# Allegro board BeagleBone-AI.brd (continued)
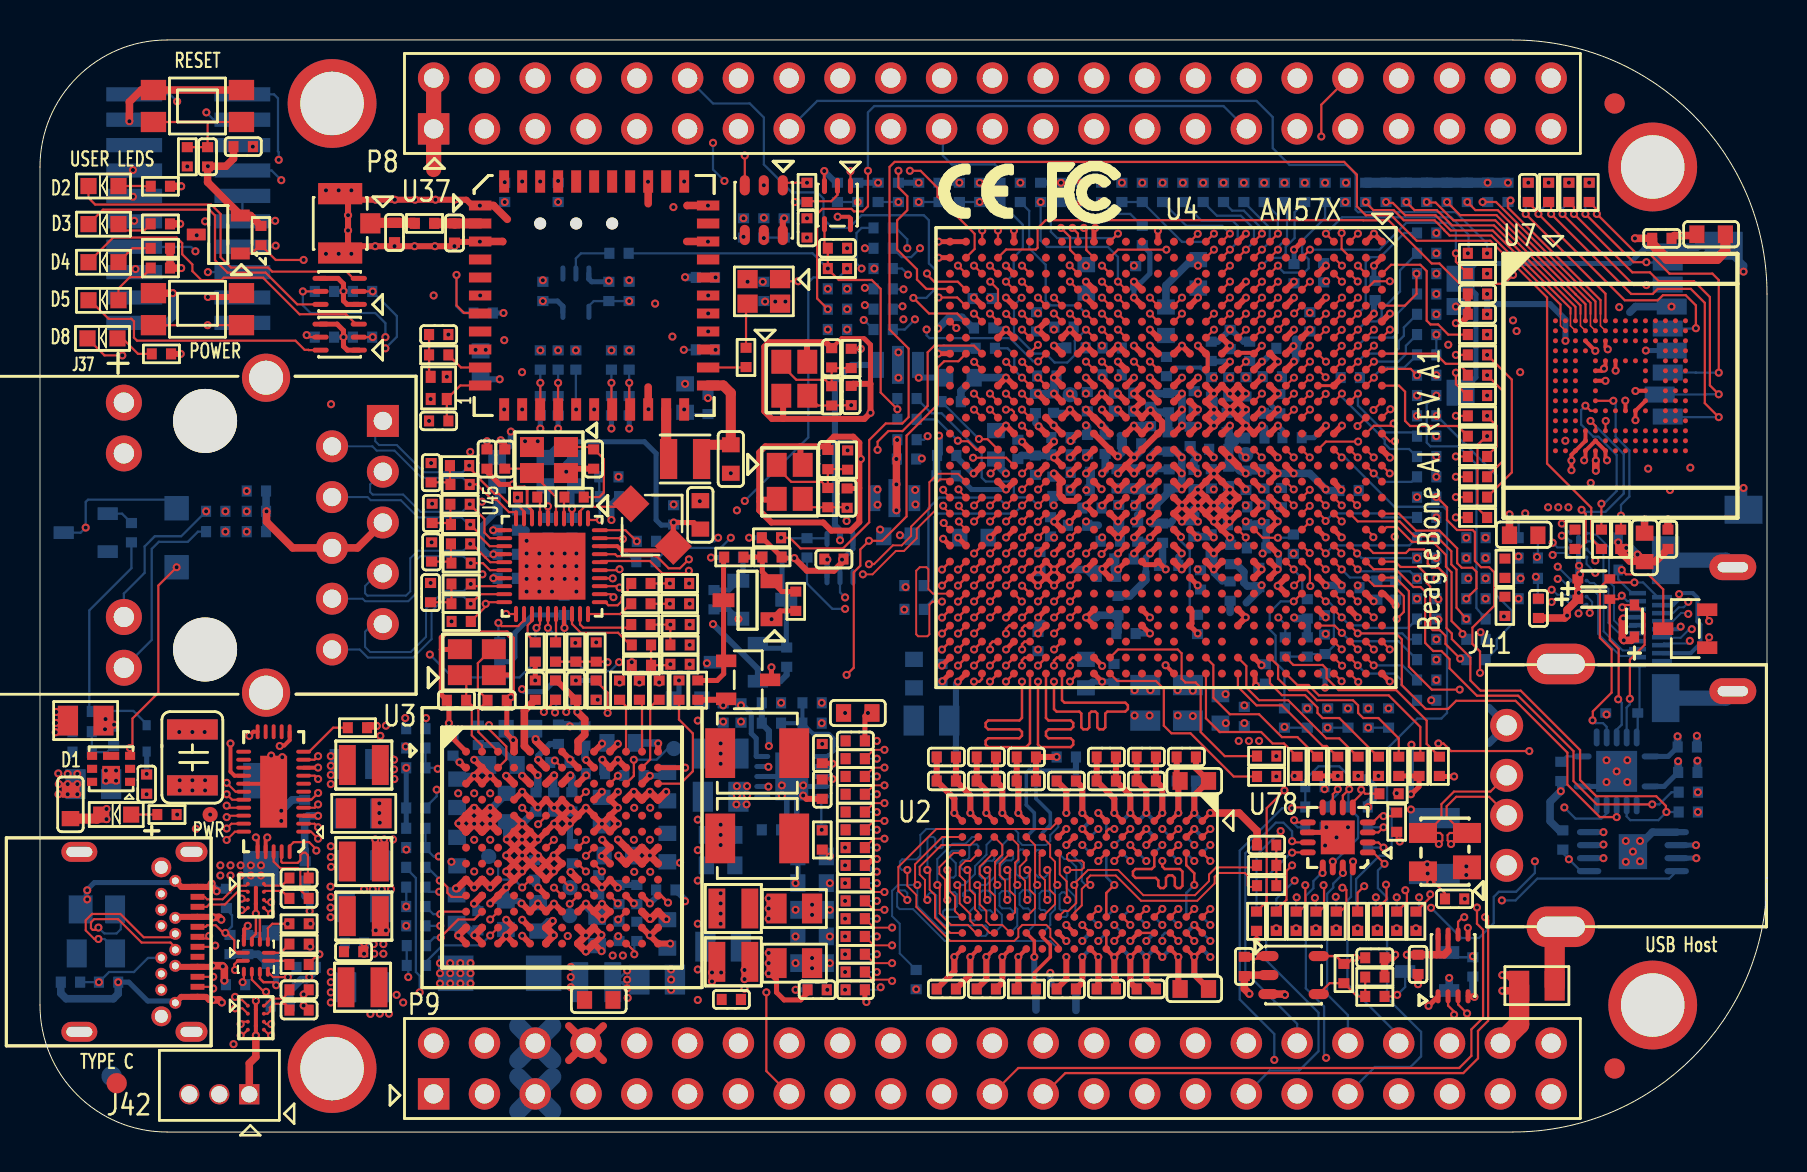
[diagram p0: board, top side]
## Routing (per net, layer and track width the routed paths; a pad name or vN(x,y) marks a point on that pad's centre or on a via; arc(x,y) is an arc through that point) (continued)
DDR1_A8: length 42.3
  TOP w0.1: R123.1 41.69,14.67 v1(42.23,14.67) ; v1(44.37,13.1) 44.37,13.1 44.45,13.02 44.46,13.02 44.49,12.99 44.49,12.11 44.76,11.85 44.76,10.72 45.53,9.95 U2.T8
  TOP w0.127: U4.AF22 v1(46.7,27.32)
  INT_L3 w0.121: v1(46.7,27.32) 46.99,27.32 47.12,27.2 47.12,26.29 46.99,26.16 46.43,26.16 46.3,26.04 46.3,24.79 46.04,24.52 45.78,24.52 45.5,24.24 45.5,23.99 45.24,23.72 44.9,23.72 44.7,23.52 44.7,21.97 44.83,21.84 45.28,21.84 45.4,21.72 45.4,21.53 45.28,21.4 44.83,21.4 44.7,21.27 44.7,21.08 44.83,20.96 45.28,20.96 45.4,20.83 45.4,20.64 45.28,20.51 44.83,20.51 44.7,20.38 44.7,20.19 44.83,20.07 45.28,20.07 45.4,19.94 45.4,19.75 45.28,19.62 44.83,19.62 44.7,19.49 44.7,19.3 44.83,19.18 45.28,19.18 45.4,19.05 45.4,18.86 45.28,18.73 44.83,18.73 44.7,18.61 44.7,18.41 44.83,18.29 45.28,18.29 45.4,18.16 45.4,17.97 45.28,17.84 44.83,17.84 44.7,17.72 44.7,17.53 44.83,17.4 45.28,17.4 45.4,17.27 45.4,17.08 45.28,16.95 44.83,16.95 44.7,16.83 44.7,16.64 44.83,16.51 45.28,16.51 45.4,16.38 45.4,16.19 45.28,16.07 44.83,16.07 44.7,15.94 44.7,15.75 44.83,15.62 45.28,15.62 45.4,15.49 45.4,15.3 45.28,15.18 44.26,15.18 44.13,15.05 44.13,14.86 44.26,14.73 45.59,14.73 45.72,14.61 45.72,14.41 45.59,14.29 44.26,14.29 44.13,14.16 44.13,13.97 44.26,13.84 44.64,13.84 44.77,13.72 44.77,13.23 44.64,13.1 v1(44.37,13.1)
  SIG_L5 w0.121: v1(44.37,13.1) 42.81,14.67 v1(42.23,14.67)
  BOTTOM w0.1: v1(44.37,13.1) 44.38,13.1 44.38,14.66 44.48,14.75 44.67,14.75 44.77,14.66 44.77,14.27 44.84,14.2 45.07,14.2 45.14,14.26 45.14,14.62 45.27,14.75 U11.T8
DDR1_A9: length 42.2
  TOP w0.1: U2.R3 46.52,13.55 46.28,13.55 45.99,13.26 45.99,12.82 46.26,12.54 46.26,11.71 46.36,11.6 v1(46.37,11.6)
  TOP w0.127: U4.AE22 v1(47.51,27.33)
  SIG_L5 w0.121: v1(46.37,11.6) 45.56,10.79 42.8,10.79 42.67,10.67 v1(41.85,10.67)
  SIG_L10 w0.121: v1(46.37,11.6) 46.36,11.6 46.23,11.48 46.23,11.24 46.36,11.11 47.85,11.11 47.98,11.24 47.98,11.67 47.39,12.27 47.39,12.6 48.01,13.22 48.01,13.65 47.88,13.78 47.43,13.78 47.31,13.91 47.31,14.1 47.43,14.22 48.01,14.22 48.13,14.35 48.13,14.54 48.01,14.67 47.43,14.67 47.31,14.8 47.31,14.99 47.43,15.11 48.01,15.11 48.13,15.24 48.13,15.43 48.01,15.56 47.82,15.56 47.7,15.68 47.7,16.26 47.82,16.38 48.01,16.38 48.13,16.51 48.13,16.7 48.01,16.83 47.43,16.83 47.31,16.95 47.31,17.14 47.43,17.27 48.01,17.27 48.13,17.4 48.13,17.59 48.01,17.72 47.5,17.72 47.37,17.84 47.37,18.03 47.5,18.16 48.01,18.16 48.13,18.29 48.13,18.48 48.01,18.61 46.23,18.61 44.45,20.38 44.45,21.59 43.94,22.1 43.94,24.51 44.07,24.64 44.51,24.64 44.64,24.77 44.64,25.21 44.77,25.34 45.28,25.34 45.47,25.53 45.47,25.91 45.72,26.16 46.1,26.16 46.34,26.4 46.34,26.79 46.48,26.92 46.82,26.92 47.23,27.33 v1(47.51,27.33)
  BOTTOM w0.1: U11.R3 46.74,10.57 46.58,10.57 46.48,10.67 46.48,11.02 46.75,11.29 46.75,11.94 46.61,12.07 46.3,12.07 46.16,11.93 46.16,11.82 v1(46.37,11.6) ; R40.1 v1(41.85,10.67)
DDR1_A10: length 48.7
  TOP w0.1: U2.L7 50.76,11.39 50.76,11.85 50.49,12.11 50.49,12.99 v1(50.37,13.1)
  TOP w0.127: U4.AD21 v1(48.3,28.12)
  INT_L3 w0.121: v1(48.3,28.12) 48.5,28.12 48.9,28.52 49.4,28.52 49.53,28.39 49.53,25.46 49.66,25.34 50.17,25.34 50.29,25.21 50.29,24.65 50.17,24.52 48.15,24.52 47.9,24.28 47.9,23.92 47.7,23.72 47.37,23.72 47.1,23.46 47.1,22.1 46.98,21.97 46.77,21.97 46.64,21.84 46.64,21.65 46.77,21.53 47.58,21.53 47.7,21.4 47.7,19.94 47.83,19.81 49.53,19.81 49.66,19.69 49.66,19.49 49.53,19.37 47.83,19.37 47.7,19.24 47.7,19.05 47.83,18.92 49.53,18.92 49.66,18.8 49.66,18.61 49.53,18.48 47.83,18.48 47.7,18.35 47.7,18.16 47.83,18.03 49.21,18.03 49.34,17.91 49.34,13.74 49.97,13.1 v1(50.37,13.1)
  SIG_L5 w0.121: v1(41.85,18.67) 46.06,18.67 48.53,16.2 48.53,15.01 50.37,13.17 v1(50.37,13.1)
  BOTTOM w0.1: R125.1 v1(41.85,18.67) ; U11.L7 49.97,14.11 49.86,14.11 49.75,14 49.75,12.92 49.94,12.73 50.24,12.73 50.37,12.86 v1(50.37,13.1)
DDR1_A11: length 42.7
  TOP w0.1: v1(46.37,13.1) 46.49,12.99 46.49,12.12 46.76,11.85 46.76,11.14 46.92,10.98 U2.R7
  TOP w0.127: U4.AD22 v1(48.31,27.33)
  INT_L3 w0.121: v1(48.31,27.33) 48.01,27.33 47.88,27.2 47.88,26.99 48.01,26.86 48.26,26.86 48.39,26.73 48.39,26.29 48.26,26.16 48.01,26.16 47.88,26.04 47.88,25.53 47.68,25.32 47.3,25.32 47.1,25.12 47.1,24.8 46.83,24.52 46.57,24.52 46.3,24.26 46.3,24 46.03,23.72 45.76,23.72 45.52,23.48 45.52,22.17 45.78,21.91 45.78,20.89 45.91,20.76 46.74,20.76 46.86,20.64 46.86,20.45 46.74,20.32 45.91,20.32 45.78,20.19 45.78,20 45.91,19.88 46.74,19.88 46.86,19.75 46.86,19.56 46.74,19.43 45.91,19.43 45.78,19.3 45.78,19.11 45.91,18.99 46.74,18.99 46.86,18.86 46.86,18.67 46.74,18.54 45.91,18.54 45.78,18.41 45.78,18.22 45.91,18.1 46.74,18.1 46.86,17.97 46.86,17.78 46.74,17.65 45.91,17.65 45.78,17.53 45.78,17.34 45.91,17.21 46.74,17.21 46.86,17.08 46.86,16.89 46.74,16.76 45.91,16.76 45.78,16.64 45.78,16.45 46.1,16.13 46.1,15.37 46.23,15.24 46.74,15.24 46.86,15.11 46.86,14.92 46.74,14.8 46.23,14.8 46.1,14.67 46.1,14.48 46.23,14.35 46.74,14.35 46.86,14.22 46.86,14.03 46.74,13.91 45.47,13.91 45.34,13.78 45.34,13.65 45.47,13.53 46.24,13.53 46.37,13.4 v1(46.37,13.1)
  SIG_L5 w0.121: v1(46.37,13.1) 46.37,13.32 43.69,16 v1(41.85,16)
  BOTTOM w0.1: U11.R7 46.92,14.31 46.85,14.38 46.57,14.38 46.47,14.28 46.47,13.72 46.36,13.61 46.15,13.61 46.03,13.48 46.03,13.24 46.16,13.1 v1(46.37,13.1) ; R31.1 v1(41.85,16)
DDR1_A12: length 45.8
  TOP w0.1: v1(42.23,17.34) 41.69,17.34 R132.1 ; v1(48.37,13.1) 48.37,13.1 48.49,12.98 48.49,12.07 48.76,11.8 48.76,10.98 48.53,10.75 U2.N7
  TOP w0.127: U4.AC21 v1(49.1,28.12)
  INT_L3 w0.121: v1(48.37,13.1) 48.36,13.1 47.94,13.53 47.37,13.53 47.24,13.65 47.24,14.1 47.37,14.22 48.7,14.22 48.83,14.35 48.83,14.54 48.7,14.67 47.37,14.67 47.24,14.8 47.24,14.99 47.37,15.11 48.7,15.11 48.83,15.24 48.83,15.43 48.7,15.56 47.05,15.56 46.93,15.68 46.93,16.19 47.07,16.33 48.71,16.33 48.83,16.45 48.83,16.64 48.7,16.76 47.37,16.76 47.24,16.89 47.24,17.08 47.37,17.21 48.7,17.21 48.83,17.34 48.83,17.53 48.7,17.65 47.37,17.65 47.24,17.78 47.24,21.02 47.12,21.15 46.43,21.15 46.3,21.27 46.3,23.44 46.58,23.72 46.84,23.72 47.1,23.99 47.1,24.24 47.35,24.49 47.61,24.49 47.9,24.79 47.9,25.07 48.16,25.32 48.49,25.32 48.72,25.56 48.72,27.74 v1(49.1,28.12)
  SIG_L5 w0.121: v1(48.37,13.1) 48.37,13.33 46.12,15.58 46.12,16.14 44.92,17.34 v1(42.23,17.34)
  BOTTOM w0.1: U11.N7 48.52,13.95 48.66,13.81 48.66,13.67 48.58,13.58 48.29,13.58 48.02,13.31 48.02,12.74 48.12,12.64 48.43,12.64 48.52,12.73 48.52,12.96 v1(48.37,13.1)
DDR1_A13: length 41.7
  TOP w0.1: v1(45.37,11.6) 45.26,11.72 45.26,12.63 44.98,12.91 44.98,13.25 45.68,13.95 U2.T3 ; R142.1 41.69,11.11 v1(42.23,11.11)
  TOP w0.127: U4.AF18 v1(46.71,30.53)
  SIG_L5 w0.121: v1(42.23,11.11) 42.35,11.18 44.94,11.18 v1(45.37,11.6)
  SIG_L10 w0.121: v1(45.37,11.6) 45.37,10.89 45.21,10.73 43.69,10.73 42.98,11.44 42.98,14.8 43.11,14.92 43.43,14.92 43.55,15.05 43.55,15.24 43.43,15.37 43.11,15.37 42.98,15.49 42.98,15.68 43.11,15.81 43.43,15.81 43.55,15.94 43.55,16.13 43.43,16.26 43.11,16.26 42.98,16.38 42.98,16.57 43.11,16.7 43.43,16.7 43.55,16.83 43.55,17.02 43.43,17.14 43.11,17.14 42.98,17.27 42.98,17.46 43.11,17.59 43.43,17.59 43.55,17.72 43.55,17.91 43.43,18.03 43.11,18.03 42.98,18.16 42.98,18.35 43.11,18.48 43.43,18.48 43.55,18.61 43.55,18.8 43.43,18.92 43.11,18.92 42.98,19.05 42.98,19.42 42.61,19.79 42.61,20.89 42.04,21.46 42.04,26.7 44.63,29.29 45.41,29.29 45.54,29.42 45.54,30.03 45.66,30.15 46.33,30.15 v1(46.71,30.53)
  BOTTOM w0.1: U11.T3 45.24,10.75 45.15,10.84 45.15,11.02 45.25,11.12 45.68,11.12 45.84,11.29 45.84,11.9 45.74,11.99 45.48,11.99 45.37,11.88 v1(45.37,11.6)
DDR1_A14: length 41.5
  TOP w0.1: v1(45.37,13.1) 45.37,13.1 45.49,12.99 45.49,12.06 45.76,11.78 45.76,11.04 46.04,10.75 U2.T7
  TOP w0.127: U4.AE17 v1(47.51,31.33)
  INT_L3 w0.121: v1(45.37,13.1) 45.36,13.1 45.34,13.08 45.08,13.08 44.57,12.57 44.23,12.57 44.09,12.72 43.72,12.72 43.57,12.57 43.35,12.57 42.98,12.94 42.98,13.64 43.37,14.03 43.37,22.1 43.5,22.23 43.81,22.23 43.94,22.35 43.94,22.54 43.81,22.67 43.5,22.67 43.37,22.8 43.37,22.99 43.5,23.11 43.81,23.11 43.94,23.24 43.94,23.43 43.81,23.56 43.5,23.56 43.37,23.69 43.37,23.88 43.5,24 43.81,24 43.94,24.13 43.94,24.32 43.81,24.45 43.5,24.45 43.37,24.57 43.37,24.77 43.5,24.89 44.45,24.89 44.58,25.02 44.58,27.6 44.7,27.72 47.7,27.72 47.9,27.92 47.9,28.3 48.15,28.54 48.44,28.54 48.7,28.8 48.7,29.04 48.98,29.32 49.26,29.32 49.5,29.56 49.5,29.93 49.3,30.13 48.94,30.13 48.7,30.36 48.7,30.72 48.5,30.92 47.92,30.92 v1(47.51,31.33)
  SIG_L5 w0.121: v1(41.85,15.11) 43.36,15.11 v1(45.37,13.1)
  BOTTOM w0.1: R128.1 v1(41.85,15.11) ; U11.T7 46.01,14.06 45.61,14.06 45.51,13.97 45.51,13.73 45.79,13.45 45.79,12.83 45.68,12.72 45.47,12.72 45.37,12.81 v1(45.37,13.1)
DDR1_A15: length 47.7
  TOP w0.1: U2.M7 49.75,11.19 49.75,11.85 49.49,12.11 49.49,12.99 v1(49.37,13.1)
  TOP w0.127: U4.AD18 v1(48.31,30.53)
  INT_L3 w0.121: v1(49.37,13.1) 49.23,13.1 48.98,12.86 48.68,12.86 48.26,12.44 48.26,12.19 47.76,11.69 47.76,11.44 47.45,11.13 43.3,11.13 42.9,11.52 42.9,11.96 42.24,12.62 42.24,14.06 42.65,14.47 42.65,27.24 44.58,29.17 46.28,29.17 46.43,29.33 47.66,29.33 47.92,29.58 47.92,30.14 v1(48.31,30.53)
  SIG_L5 w0.121: v1(49.37,13.1) 49.34,13.1 46.91,15.53 46.91,16.16 45.3,17.78 v1(41.85,17.78)
  BOTTOM w0.1: R30.1 v1(41.85,17.78) ; v1(49.37,13.1) 49.37,13.1 49.44,13.03 49.44,12.82 49.33,12.71 49.01,12.71 48.81,12.91 48.81,13.39 48.94,13.52 48.94,14.05 49.02,14.13 49.15,14.13 U11.M7
DDR1_BA0: length 52
  TOP w0.1: v1(49.87,12.35) 49.76,12.46 49.76,14.35 49.35,14.75 U2.M2 ; R33.1 41.69,18.22 v1(42.23,18.22)
  TOP w0.127: U4.AF17 v1(46.71,31.33)
  SIG_L5 w0.121: v1(42.23,18.22) 45.62,18.22 47.72,16.12 47.72,15.33 49.87,13.19 v1(49.87,12.35)
  SIG_L8 w0.121: v1(46.71,31.33) 46.34,31.7 44.91,31.7 44.45,31.24 44.45,30.58 40.64,26.77 40.64,26.57 40.89,26.31 40.89,20.95 41.84,20 42,20 42.61,19.39 42.61,13.93 42.32,13.65 42.32,12.53 42.67,12.18 42.67,11.29 43.42,10.54 48.83,10.54 49.87,11.58 v1(49.87,12.35)
  BOTTOM w0.1: U11.M2 49.75,10.39 49.75,12.24 v1(49.87,12.35)
DDR1_BA1: length 43.6
  TOP w0.1: v1(42.61,10.22) 41.69,10.22 R34.1 ; v1(46.87,12.35) 46.88,12.35 46.99,12.24 46.99,11.39 47.32,11.06 47.32,10.53 47.5,10.35 48.12,10.35 U2.N8
  TOP w0.127: U4.AE18 v1(47.51,30.53)
  SIG_L5 w0.121: v1(46.87,12.35) 46.87,11.55 45.77,10.45 42.96,10.45 42.74,10.22 v1(42.61,10.22)
  SIG_L8 w0.121: v1(47.51,30.53) 47.48,30.53 47.12,30.16 46.42,30.16 46.29,30.04 46.29,29.02 46.16,28.89 45.66,28.89 45.53,29.02 45.53,29.14 45.41,29.26 44.82,29.26 44.7,29.14 44.7,29.02 44.58,28.89 43.73,28.89 41.71,26.87 41.71,21.64 43.43,19.91 43.43,13.74 42.99,13.3 42.99,12.94 43.43,12.5 43.43,12.19 43.66,11.96 44.22,11.96 44.39,12.13 44.39,12.64 44.51,12.76 45.15,12.76 45.28,12.64 45.28,12.13 45.44,11.96 46.03,11.96 46.42,12.35 v1(46.87,12.35)
  BOTTOM w0.1: U11.N8 48.12,14.35 48.12,13.73 47.75,13.37 47.75,12.78 47.33,12.35 v1(46.87,12.35)
DDR1_BA2: length 47.4
  TOP w0.1: v1(49.37,11.6) 49.37,11.6 49.26,11.71 49.26,12.56 48.99,12.83 48.99,13.27 49.32,13.6 U2.M3 ; v1(42.61,8.45) 41.69,8.45 R42.1
  TOP w0.127: U4.AB18 v1(49.9,30.52)
  SIG_L5 w0.121: v1(49.37,11.6) 49.37,11.51 46.91,9.05 46.91,8.62 46.67,8.38 45.43,8.38 44.88,8.93 43.47,8.93 42.99,8.45 v1(42.61,8.45)
  SIG_L10 w0.121: v1(49.9,30.52) 49.5,30.13 49.5,29.46 49.63,29.34 50.17,29.34 50.32,29.18 50.32,28.71 50.17,28.56 49.63,28.56 49.5,28.43 49.5,27.92 49.3,27.72 48.93,27.72 48.7,27.49 48.7,27.17 48.47,26.94 48.21,26.94 47.9,26.63 47.9,26.37 47.67,26.14 47.35,26.14 47.1,25.89 47.1,25.57 46.87,25.34 46.61,25.34 46.57,25.29 46.56,25.29 46.34,25.08 46.34,24.83 46.02,24.51 45.72,24.51 45.47,24.26 45.47,23.97 45.26,23.76 44.91,23.76 44.7,23.56 44.7,22.35 45.21,21.84 45.21,20.64 46.48,19.37 48.51,19.37 48.89,18.99 48.89,17.72 49.02,17.59 49.57,17.59 49.7,17.46 49.7,16.83 49.83,16.7 50.17,16.7 50.29,16.57 50.29,16.14 50.42,16.01 50.78,16.01 50.91,15.88 50.91,15.69 50.78,15.56 50.42,15.56 50.29,15.44 50.29,15.24 50.42,15.11 50.86,15.11 50.99,14.99 50.99,14.8 50.86,14.67 50.42,14.67 50.29,14.54 50.29,14.35 50.42,14.22 50.86,14.22 50.99,14.1 50.99,13.91 50.86,13.78 50.29,13.78 49.76,13.25 49.76,12.87 49.37,12.48 v1(49.37,11.6)
  BOTTOM w0.1: v1(49.37,11.6) 49.37,11.6 49.52,11.76 49.52,11.95 49.38,12.09 49.15,12.09 48.98,11.93 48.98,11.37 49.17,11.18 49.41,11.18 49.52,11.07 49.52,10.96 U11.M3
DDR1_CASN: length 54.1
  TOP w0.1: U2.K3 50.99,13.88 50.99,12.88 51.34,12.54 51.34,11.63 51.37,11.6 v1(51.37,11.6)
  TOP w0.127: U4.AC18 v1(49.11,30.53)
  SIG_L5 w0.121: v1(42.04,7.24) 42.04,7.23 42.16,7.11 43.18,7.11 43.85,7.78 44.5,7.78 45.04,7.24 48.01,7.24 49.3,8.53 49.3,9.3 51.37,11.37 v1(51.37,11.6)
  SIG_L10 w0.121: v1(49.11,30.53) 48.83,30.81 48.82,30.81 48.69,30.94 44.99,30.94 44.82,30.77 44.82,29.98 41.71,26.87 41.71,21.29 42.23,20.76 42.23,19.71 42.65,19.29 42.65,11.26 43.52,10.39 50.16,10.39 51.1,11.33 v1(51.37,11.6)
  BOTTOM w0.1: U11.K3 51.31,10.75 51.37,10.82 51.37,11 51.29,11.09 51.06,11.09 50.99,11.16 50.99,11.87 51.1,11.98 51.23,11.98 51.37,11.84 v1(51.37,11.6) ; v1(42.04,7.24) 42.04,7.21 41.94,7.11 R140.1
DDR1_CKE: length 48.4
  TOP w0.1: v1(43.37,13.1) 43.37,12.3 43.82,11.85 43.82,11.25 45.52,9.55 48.72,9.55 48.92,9.75 48.92,10.15 49.12,10.35 50.32,10.35 50.52,10.15 50.52,9.75 50.92,9.35 U2.K9
  TOP w0.127: U4.AG22 v1(45.9,27.32)
  INT_L3 w0.121: v1(45.9,27.32) 45.5,26.92 45.5,24.8 45.22,24.52 44.45,24.52 44.32,24.39 44.32,21.97 44.2,21.84 43.82,21.84 43.69,21.72 43.69,21.53 43.82,21.4 44.2,21.4 44.32,21.27 44.32,21.08 44.2,20.96 43.82,20.96 43.69,20.83 43.69,20.64 43.82,20.51 44.2,20.51 44.32,20.38 44.32,20.19 44.2,20.07 43.82,20.07 43.69,19.94 43.69,19.75 43.82,19.62 44.2,19.62 44.32,19.49 44.32,19.3 44.2,19.18 43.82,19.18 43.69,19.05 43.69,18.8 43.82,18.67 44.2,18.67 44.32,18.54 44.32,18.35 44.2,18.22 43.82,18.22 43.69,18.1 43.69,17.91 43.82,17.78 44.2,17.78 44.32,17.65 44.32,17.46 44.2,17.34 43.82,17.34 43.69,17.21 43.69,17.02 43.82,16.89 44.2,16.89 44.32,16.76 44.32,16.57 44.2,16.45 43.82,16.45 43.69,16.32 43.69,16.13 43.82,16 44.2,16 44.32,15.88 44.32,15.68 44.2,15.56 43.88,15.56 43.75,15.43 43.75,13.84 43.37,13.46 v1(43.37,13.1)
  SIG_L5 w0.121: v1(41.85,14.22) 42.25,14.22 v1(43.37,13.1)
  BOTTOM w0.1: R126.1 v1(41.85,14.22) ; v1(43.37,13.1) 43.1,13.1 43,13.2 43,13.52 43.11,13.63 43.83,13.63 44.02,13.83 44.02,14.85 44.32,15.15 48.72,15.15 48.92,14.95 48.92,14.55 49.12,14.35 50.32,14.35 50.52,14.55 50.52,14.85 50.92,15.25 U11.K9
DDR1_CLK0: length 50.7
  TOP w0.102: R26.1 60.79,12.26 60.45,12.26 60.39,12.32 60.39,12.81 60.25,12.95 58.93,12.95 58.74,12.76 58.74,12.43 57.87,11.56 55.06,11.56 53.79,12.83 52.53,12.83 52.37,12.67 52.37,12.51 v1(52.52,12.35) 52.3,12.35 52.1,12.15 52.1,11.33 51.72,10.96 U2.J7
  TOP w0.127: U4.AG24 v1(45.9,25.72)
  SIG_L8 w0.094: v1(52.52,12.35) 52.4,12.48 52.4,13.44 51.84,14 51.18,14 50.85,14.33 50.85,15.73 50.53,16.05 50.04,16.05 49.91,16.18 49.91,16.39 50,16.48 50.55,16.48 50.83,16.76 50.83,17.17 50.52,17.48 47.16,17.48 47.07,17.57 47.07,17.78 47.22,17.93 50.2,17.93 50.47,18.2 50.47,18.68 50.2,18.95 47.16,18.95 47.07,19.04 47.07,19.36 47.16,19.46 49.3,19.46 49.58,19.74 49.58,20.22 49.28,20.52 47.15,20.52 47.02,20.66 47.02,20.9 47.14,21.03 47.96,21.03 48.23,21.3 48.23,21.83 47.96,22.1 45.03,22.1 44.7,22.43 44.7,25.04 44.96,25.3 45.15,25.3 v1(45.9,25.72)
  BOTTOM w0.102: U11.J7 51.72,13.75 52.1,13.38 52.1,12.55 52.29,12.35 v1(52.52,12.35)
DDR1_CLK0N: length 50.7
  TOP w0.102: U2.K7 51.22,11.05 51.42,11.05 51.82,11.45 51.82,12.26 v1(51.72,12.35) 51.72,12.42 52.09,12.78 52.41,13.11 53.91,13.11 55.17,11.84 57.75,11.84 58.46,12.55 58.46,12.88 58.81,13.23 60.76,13.23 R29.1
  TOP w0.127: U4.AH24 v1(45.1,25.72)
  SIG_L8 w0.094: v1(45.1,25.72) 44.98,25.6 44.83,25.6 44.4,25.17 44.4,22.3 44.91,21.79 47.84,21.79 47.93,21.7 47.93,21.43 47.84,21.34 47.02,21.34 46.71,21.03 46.71,20.53 47.02,20.22 49.15,20.22 49.28,20.09 49.28,19.86 49.18,19.76 47.03,19.76 46.76,19.49 46.76,18.92 47.03,18.64 50.07,18.64 50.17,18.55 50.17,18.33 50.07,18.24 47.09,18.24 46.76,17.91 46.76,17.44 47.03,17.17 50.39,17.17 50.52,17.04 50.52,16.88 50.43,16.79 49.88,16.79 49.61,16.52 49.61,16.05 49.91,15.75 50.4,15.75 50.55,15.6 50.55,14.2 51.05,13.69 51.72,13.69 52.1,13.31 52.1,12.57 51.88,12.35 v1(51.72,12.35)
  BOTTOM w0.102: U11.K7 51.22,13.65 51.42,13.65 51.82,13.26 51.82,12.45 v1(51.72,12.35)
DDR1_CSN0: length 49.1
  TOP w0.1: v1(42.61,7.56) 42.55,7.62 41.63,7.62 R129.1 ; v1(45.1,26.52) 44.72,26.52 44.72,26.52 44.63,26.52 44.48,26.37 44.48,24.89 44.38,24.79 43.92,24.79 43.81,24.89 43.81,28.07 43.99,28.24 44.32,28.24 44.42,28.14 44.42,27.15 44.65,26.92 U4.AH23 ; v1(50.87,12.35) 50.82,12.35 50.76,12.42 50.76,13.52 50.51,13.76 50.51,14.36 U2.L2
  SIG_L5 w0.121: v1(50.87,12.35) 50.87,11.5 48.51,9.14 48.51,8.49 47.64,7.62 45.17,7.62 44.63,8.16 43.72,8.16 43.12,7.56 v1(42.61,7.56)
  SIG_L8 w0.121: v1(50.87,12.35) 50.51,12.71 50.02,12.71 49.78,12.95 49.78,13.53 49.72,13.59 49.72,14.9 49.44,15.18 45.94,15.18 45.34,15.77 45.34,16.15 45.97,16.79 45.97,20.76 45.85,20.89 44.87,20.89 43.56,22.2 43.56,25.4 44.69,26.52 v1(45.1,26.52)
  BOTTOM w0.1: v1(50.87,12.35) 50.75,12.24 50.75,11.13 50.52,10.9 50.52,10.35 U11.L2
DDR1_D0: length 32.5
  TOP w0.127: U4.AF25 v1(46.71,24.93)
  SIG_L5 w0.121: v1(46.71,24.93) 46.71,24.65 46.84,24.52 47.1,24.52 47.22,24.64 47.22,24.84 47.35,24.96 47.79,24.96 47.92,24.84 47.92,24.64 48.05,24.52 48.56,24.52 48.68,24.39 48.68,24.01 48.97,23.72 49.25,23.72 49.5,23.48 49.5,23.06 49.63,22.93 50.97,22.93 51.1,22.8 51.1,22.23 50.97,22.1 49.19,22.1 49.06,21.98 49.06,21.79 49.19,21.66 51.41,21.66 51.54,21.53 51.54,19.69 51.67,19.56 53.07,19.56 53.19,19.44 53.19,18.17 53.32,18.04 55.03,18.04 55.16,17.91 55.16,17.34 55.29,17.22 55.56,17.22 55.7,17.07 55.7,14.96 55.5,14.75 55.17,14.75 54.9,14.49 54.9,14.16 54.71,13.98 54.38,13.98 54.13,13.73 54.13,13.28 54.26,13.15 54.84,13.15 54.97,13.02 54.97,12.64 55.1,12.52 56.3,12.52 56.43,12.39 56.43,12.2 56.3,12.07 55.4,12.07 55.29,11.96 55.29,11.8 55.4,11.69 55.61,11.69 55.73,11.56 55.73,10.99 55.32,10.58 v1(55.32,10.35)
  BOTTOM w0.127: U11.E3 v1(55.32,10.35)
DDR1_D1: length 32.5
  TOP w0.127: U4.AF26 v1(46.71,24.13)
  SIG_L5 w0.121: v1(53.72,10.35) 54.13,10.76 54.79,10.76 54.95,10.93 54.95,12.03 54.59,12.4 54.59,12.64 54.46,12.77 53.83,12.77 53.32,13.28 53.32,13.75 53.52,13.95 53.88,13.95 54.12,14.19 54.12,14.55 54.32,14.75 54.67,14.75 54.91,14.99 54.91,15.34 54.7,15.54 54.39,15.54 54.12,15.81 54.12,16.2 54.28,16.36 54.78,16.36 54.9,16.48 54.9,16.65 54.78,16.77 53.64,16.77 53.51,16.9 53.51,17.09 53.64,17.22 54.65,17.22 54.78,17.34 54.78,17.53 54.65,17.66 52.94,17.66 52.81,17.79 52.81,19.06 52.68,19.18 52.49,19.18 52.37,19.06 52.37,17.79 52.24,17.66 52.05,17.66 51.92,17.79 51.92,18.17 51.8,18.29 51.35,18.29 51.22,18.42 51.22,18.61 51.35,18.74 51.8,18.74 51.92,18.87 51.92,19.06 51.8,19.18 51.29,19.18 51.16,19.31 51.16,21.15 51.03,21.28 48.81,21.28 48.68,21.41 48.68,23.5 48.46,23.72 47.11,23.72 v1(46.71,24.13)
  BOTTOM w0.127: U11.F2 v1(53.72,10.35)
DDR1_D2: length 32.7
  TOP w0.127: U4.AG26 v1(45.9,24.12)
  SIG_L5 w0.121: v1(45.9,24.12) 45.9,24.09 45.51,23.69 44.81,23.69 44.49,23.37 42.59,23.37 42.46,23.25 42.46,21.41 42.59,21.28 42.78,21.28 42.91,21.41 42.91,22.8 43.03,22.93 43.22,22.93 43.35,22.8 43.35,21.41 43.48,21.28 43.67,21.28 43.79,21.41 43.79,22.8 43.92,22.93 44.11,22.93 44.24,22.8 44.24,21.41 44.37,21.28 44.56,21.28 44.68,21.41 44.68,22.8 44.82,22.94 45.38,22.94 45.51,22.8 45.51,22.23 45.38,22.1 45.19,22.1 45.06,21.98 45.06,21.41 45.19,21.28 47.79,21.28 47.92,21.15 47.92,20.39 51.41,16.9 52.37,16.9 52.52,16.74 52.52,15.96 52.52,15.83 52.78,15.57 53.08,15.57 53.32,15.33 53.32,14.95 53.12,14.75 52.52,14.75 v1(52.12,14.35)
  BOTTOM w0.127: U11.H7 v1(52.12,14.35)
DDR1_D3: length 32.8
  TOP w0.127: U4.AH26 v1(45.1,24.12)
  SIG_L5 w0.121: v1(52.92,15.15) 52.65,15.15 52.24,15.56 51.96,15.56 51.73,15.79 51.73,16.11 46.95,20.9 42.21,20.9 42.08,21.03 42.08,21.22 41.95,21.34 41.06,21.34 40.94,21.47 40.94,21.66 41.06,21.79 41.95,21.79 42.08,21.91 42.08,22.1 41.95,22.23 41.06,22.23 40.94,22.36 40.94,22.55 41.06,22.68 41.95,22.68 42.08,22.8 42.08,22.99 41.95,23.12 41.06,23.12 40.94,23.25 40.94,24.39 41.06,24.52 41.25,24.52 41.38,24.39 41.38,23.69 41.51,23.57 41.7,23.57 41.83,23.69 41.83,24.39 41.95,24.52 42.14,24.52 42.27,24.39 42.27,23.88 42.4,23.76 42.59,23.76 42.71,23.88 42.71,24.39 42.84,24.52 43.03,24.52 43.16,24.39 43.16,23.88 43.29,23.76 43.48,23.76 43.6,23.88 43.6,24.39 43.73,24.52 43.92,24.52 44.05,24.39 44.05,23.88 44.18,23.76 44.37,23.76 44.49,23.88 44.49,24.39 44.62,24.52 44.98,24.52 45.1,24.39 v1(45.1,24.12)
  BOTTOM w0.127: U11.H8 v1(52.92,15.15)
DDR1_D4: length 32.8
  TOP w0.127: U4.AF24 v1(46.71,25.73)
  SIG_L5 w0.121: v1(52.92,9.55) 53.31,9.17 55.47,9.17 55.75,9.46 55.75,9.71 56.03,9.98 56.28,9.98 56.55,10.26 56.55,10.51 56.83,10.78 57.08,10.78 57.35,11.06 57.35,11.41 58.92,12.97 58.92,18.04 55.12,21.84 55.12,22.27 52.11,25.28 51.4,25.28 51.1,25.58 51.1,25.92 50.9,26.12 50.55,26.12 50.3,26.38 50.3,26.72 50.1,26.92 49.75,26.92 49.5,27.18 49.5,27.52 49.3,27.72 48.9,27.72 48.7,27.52 48.7,27.18 48.45,26.92 48.1,26.92 47.9,26.72 47.9,26.35 47.69,26.14 47.12,26.14 v1(46.71,25.73)
  BOTTOM w0.127: U11.G2 v1(52.92,9.55)
DDR1_D5: length 32.3
  TOP w0.127: U4.AE24 v1(47.51,25.73)
  SIG_L5 w0.121: v1(52.92,10.35) 52.62,10.35 52.49,10.23 52.49,10.09 52.62,9.96 55.53,9.96 55.72,10.15 55.72,10.47 56,10.75 56.32,10.75 56.52,10.95 56.52,11.72 58.12,13.32 58.12,18.38 56.05,20.45 54.46,20.45 54.34,20.58 54.34,21.09 54.46,21.22 54.78,21.22 54.91,21.34 54.91,21.53 54.78,21.66 54.46,21.66 54.34,21.79 54.34,22.55 53.95,22.93 52.94,22.93 52.68,23.18 52.68,24.14 51.92,24.9 51.28,24.9 50.85,25.32 50.5,25.32 50.3,25.52 50.3,25.88 50.05,26.12 49.75,26.12 49.5,26.38 49.5,26.7 49.28,26.92 48.93,26.92 48.7,26.7 48.7,26.32 48.49,26.11 48.14,26.11 47.75,25.73 v1(47.51,25.73)
  BOTTOM w0.127: U11.H3 v1(52.92,10.35)
DDR1_D6: length 32.4
  TOP w0.127: U4.AF23 v1(46.71,26.53)
  SIG_L5 w0.121: v1(54.52,13.55) 54.56,13.6 54.81,13.6 55.17,13.95 55.58,13.95 55.76,14.13 55.76,14.53 55.98,14.75 56.37,14.75 56.52,14.9 56.52,16.5 56.37,16.64 56.18,16.64 56.05,16.77 56.05,16.96 56.18,17.09 56.81,17.09 56.94,17.22 56.94,17.41 56.81,17.53 55.67,17.53 55.54,17.66 55.54,18.29 55.41,18.42 53.7,18.42 53.57,18.55 53.57,19.82 53.45,19.95 52.05,19.95 51.92,20.07 51.92,20.26 52.05,20.39 53.45,20.39 53.57,20.52 53.57,20.71 53.45,20.83 52.05,20.83 51.92,20.96 51.92,21.15 52.05,21.28 53.45,21.28 53.57,21.41 53.57,21.6 53.45,21.72 52.05,21.72 51.92,21.85 51.92,23.6 51.8,23.72 49.75,23.72 49.5,23.98 49.5,25.09 49.27,25.32 46.55,25.32 46.3,25.58 46.3,26.12 v1(46.71,26.53)
  BOTTOM w0.127: U11.F7 v1(54.52,13.55)
DDR1_D7: length 32.5
  TOP w0.127: U4.AE23 v1(47.51,26.53)
  SIG_L5 w0.121: v1(53.72,14.35) 53.72,14.63 54.09,15 54.09,15.37 53.9,15.56 53.57,15.56 53.32,15.82 53.32,16.33 53.13,16.52 53.13,17.15 53,17.28 51.54,17.28 50.46,18.36 50.46,18.99 50.33,19.12 49.7,19.12 49.57,19.25 49.57,19.44 49.7,19.56 50.65,19.56 50.78,19.69 50.78,19.88 50.65,20.01 48.81,20.01 48.68,20.14 48.68,20.33 48.81,20.45 50.65,20.45 50.78,20.58 50.78,20.77 50.65,20.9 48.43,20.9 48.3,21.03 48.3,21.53 48.18,21.66 46.02,21.66 45.89,21.79 45.89,21.98 46.02,22.1 47.79,22.1 47.92,22.23 47.92,22.8 47.79,22.93 46.46,22.93 46.3,23.09 46.3,25.1 46.04,25.36 45.75,25.36 45.54,25.57 45.54,26.76 45.7,26.92 47.11,26.92 v1(47.51,26.53)
  BOTTOM w0.127: U11.F8 v1(53.72,14.35)
DDR1_D8: length 30.4
  TOP w0.127: U4.AC23 v1(49.11,27.32)
  SIG_L10 w0.121: v1(49.11,27.32) 49.09,27.3 49.09,27.08 48.61,26.6 48.61,26.43 48.91,26.13 50.07,26.13 50.33,25.87 50.33,25.53 50.53,25.34 50.84,25.34 51.22,24.96 51.48,24.96 52.68,23.76 52.68,23.18 52.94,22.93 53.38,22.93 53.51,22.8 53.51,22.36 53.64,22.23 53.85,22.23 53.98,22.1 53.98,21.91 53.85,21.79 53.19,21.79 53.07,21.66 53.07,21.47 53.19,21.34 54.98,21.34 55.11,21.22 55.11,20.58 55.24,20.45 56.24,20.45 56.68,20.01 57.61,20.01 61.26,16.36 61.26,11.99 58.83,9.55 v1(58.52,9.55)
  BOTTOM w0.127: U11.A2 v1(58.52,9.55)
DDR1_D9: length 30.8
  TOP w0.127: U4.AF27 v1(46.7,23.32)
  SIG_L10 w0.121: v1(46.7,23.32) 46.46,23.32 46.07,23.72 45.74,23.72 45.51,23.49 45.51,22.23 45.58,22.16 45.58,22.16 45.89,21.85 45.89,20.64 46.65,19.88 49.38,19.88 49.51,19.76 49.51,18.55 51.73,16.33 51.73,13.34 52.11,12.96 52.11,11.69 51.73,11.31 51.73,9.28 51.86,9.15 54.78,9.15 54.91,9.29 54.91,10.49 55.16,10.74 55.54,10.74 55.73,10.93 55.73,11.31 56.11,11.69 56.11,12.64 56.49,13.02 56.49,14.23 56.37,14.35 v1(56.12,14.35)
  BOTTOM w0.127: U11.D7 v1(56.12,14.35)
DDR1_D10: length 30.3
  TOP w0.127: U4.AG27 v1(45.9,23.32)
  SIG_L10 w0.121: v1(57.72,14.35) 57.72,14.35 57.32,14.75 55.82,14.75 55.69,14.62 55.69,12.64 55.57,12.52 55.03,12.52 54.91,12.39 54.91,12.2 55.03,12.07 55.57,12.07 55.69,11.94 55.69,11.75 55.57,11.63 55.03,11.63 54.91,11.5 54.91,10.99 54.65,10.74 54.34,10.74 54.14,10.55 54.14,10.1 54.02,9.98 52.62,9.98 52.49,10.1 52.49,11.25 52.94,11.69 52.94,12.9 52.49,13.34 52.49,16.2 52.37,16.33 52.24,16.33 49.95,18.61 49.95,20.14 49.83,20.26 46.78,20.26 46.27,20.77 46.27,22.87 45.9,23.23 v1(45.9,23.32)
  BOTTOM w0.127: U11.B8 v1(57.72,14.35)
